# KiCad board ECB-4PIO.kicad_pcb (continued)
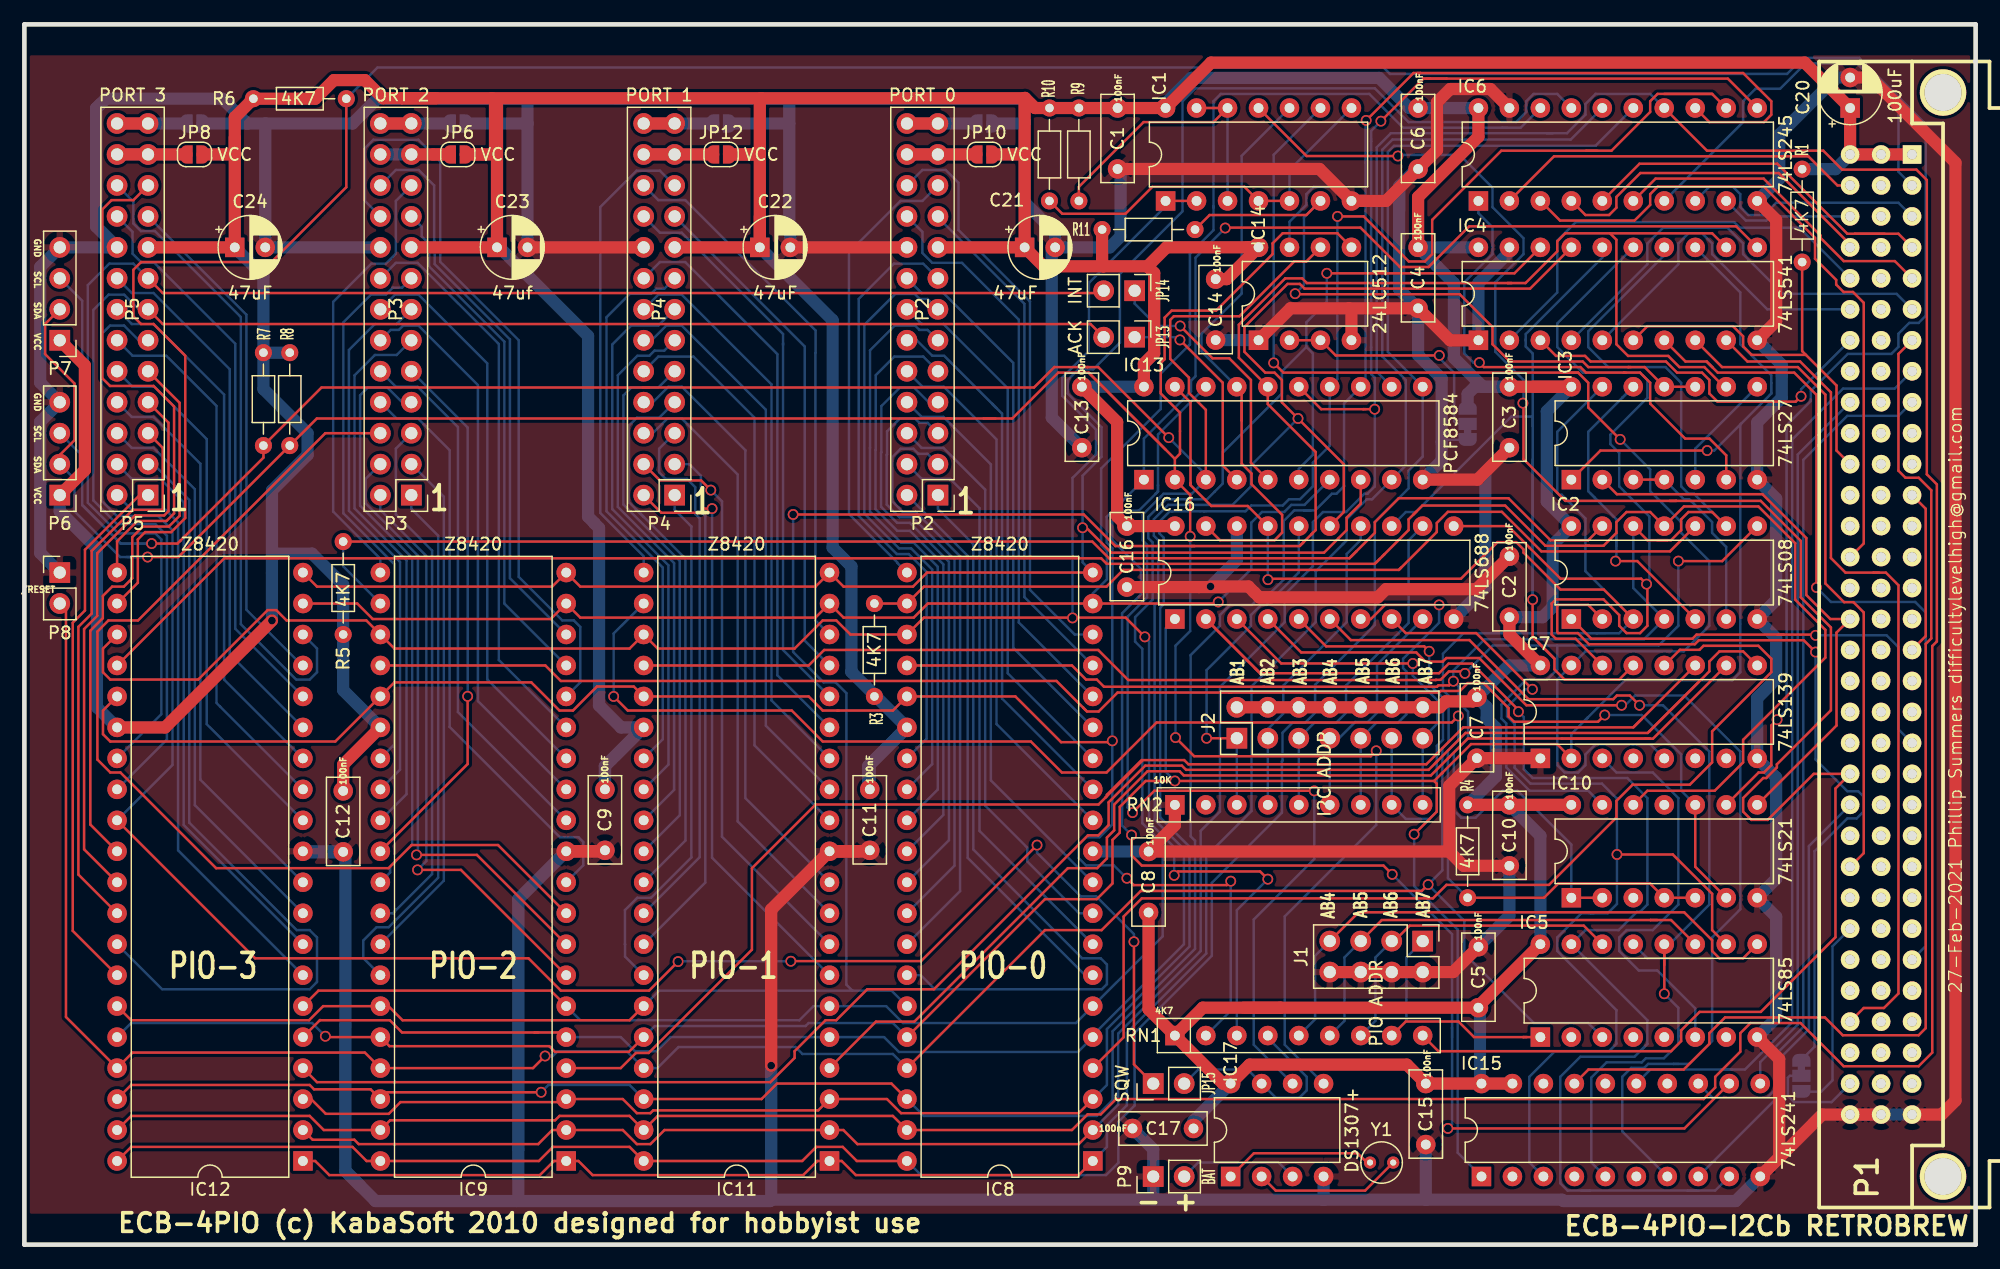
[diagram p0: board, top side]
## Routing (per net, layer and track width the routed paths; a pad name or vN(x,y) marks a point on that pad's centre or on a via; arc(x,y) is an arc through that point) (continued)
/DB4: length 301.7
  Vorderseite w0.203: IC12.39 8.76,10.55 23.39,10.55 24.55,9.4 IC9.39 29.99,10.2 43.52,10.2 43.88,10.55 49.62,10.55 IC11.39 51.94,10.55 71.21,10.55 IC8.39 85.9,9.4 87.18,10.68 88.26,10.68 89.52,11.94 137.7,11.94 138.64,12.88 138.64,13.76 140.71,15.82 140.71,17.34 141.54,18.17 145.64,18.17 149.18,14.63 155.33,14.63 156.44,15.75 156.44,49.09 156.82,49.47 156.82,62.35 156,63.18 156,87.31 155.15,88.17 149.06,88.17 147.51,89.71 137.97,89.71 IC6.14
  Rückseite w0.203: 124.86,91.15 126.49,91.15 128.01,92.66 128.01,93.54 128.84,94.37 133.31,94.37 IC6.14 ; 124.86,91.15 125.35,91.15 ; 124.86,91.15 112.05,91.15 110.89,89.99 110.89,71.59 IC13.12
/DB5: length 222.5
  Vorderseite w0.203: IC6.13 138.17,92.06 142.64,92.06 143.25,92.66 143.25,93.77 140.93,96.08 114.48,96.08 ; v1(110.03,92.2) 113.91,96.08 114.48,96.08 ; 114.48,96.08 114.2,96.08 ; IC11.38 60.45,11.94 61.72,13.21 71.1,13.21 IC8.38 ; IC12.38 8.76,13.09 23.39,13.09 23.75,12.74 28.39,12.74 IC9.38 29.75,12.49 v1(42.37,12.49)
  Rückseite w0.203: 109.97,88.7 109.97,70.75 IC13.13 108.21,68.99 108.21,62.2 107.59,61.58 107.21,61.58 105.84,60.21 104.93,60.21 ; 109.97,88.7 109.97,92.15 v1(110.03,92.2) ; 109.97,88.7 109.97,88.93 ; IC8.38 73.75,10.55 87.94,10.55 89.23,11.85 89.23,17.5 96,24.26 96,33.12 95.63,33.49 95.63,48.35 98.04,50.75 98.04,51.63 98.87,52.46 100.65,52.46 101.11,52.92 101.65,52.92 103.26,54.54 103.26,59.35 104.12,60.21 104.93,60.21 ; IC11.38 49.62,13.09 42.97,13.09 v1(42.37,12.49) ; 104.93,60.21 105.46,60.21
/DB6: length 203.3
  Vorderseite w0.203: 129,89.71 128.07,89.71 ; 128.07,89.71 121.11,89.71 115.44,84.05 115.44,81.24 114.84,80.64 113.52,80.64 109.82,84.33 v1(107.68,84.33) ; 128.07,89.71 130.14,89.71 133.31,92.89 133.31,93.77 133.92,94.37 138.39,94.37 ; 138.39,94.37 IC6.12 ; 138.39,94.37 134.46,94.37 ; IC12.3 23.5,11.94 24.71,10.73 29.88,10.73 30.84,11.69 44.18,11.69 IC9.3 49.07,11.94 50.23,10.78 51.33,10.78 51.56,11.01 65.09,11.01 IC11.3 70.73,11.94 71.89,10.78 86.45,10.78 IC8.3
  Rückseite w0.203: 94.16,60.14 94.03,60.14 ; 94.16,60.14 93.91,60.14 93.07,59.3 93.07,58.33 93.43,57.97 93.43,52.52 93.13,52.23 93.13,35.03 95.54,32.63 95.54,24.45 88.77,17.68 88.77,13.09 IC8.3 ; 94.16,60.14 96.7,60.14 ; 96.7,60.14 100.13,60.14 100.6,60.62 103.19,60.62 103.69,61.13 104.6,61.13 105.65,62.18 105.65,64.13 107.04,65.52 IC13.14 107.66,70.98 107.66,84.32 v1(107.68,84.33) ; 96.7,60.14 96.89,60.14
/DB7: length 205.1
  Vorderseite w0.203: 116.63,95.63 114.99,95.63 ; 116.63,95.63 139.68,95.63 IC6.11 ; 116.63,95.63 115.29,95.63 ; IC12.2 23.64,8.6 27.06,8.6 27.41,8.24 42.13,8.24 43.29,9.4 IC9.2 49.07,9.4 50.23,8.24 51.33,8.24 52.49,9.4 IC11.2 67.15,9.4 68.31,8.24 86.45,8.24 IC8.2 ; 114.71,95.63 115.29,95.63 ; 115.29,95.63 114.72,95.63 v1(111.23,92.14) ; 109.77,68.52 106.34,68.52 IC13.15 ; 109.77,68.52 v1(110.72,68.52) ; 109.77,68.52 109.96,68.52
  Rückseite w0.203: 110.43,90.46 110.43,91.34 v1(111.23,92.14) ; 110.43,90.46 110.43,90.72 ; 110.43,90.46 110.43,89.57 ; 110.43,73.36 110.43,73.62 ; 110.43,73.62 110.43,89.57 ; 110.43,73.62 110.43,71.4 110.73,71.1 110.73,62.18 110.13,61.58 109.88,61.58 108.38,60.08 106.49,60.08 105.66,59.25 105.66,55.64 103.35,53.33 103.35,51.05 98.04,45.74 98.04,35.51 96.45,33.93 96.45,24.07 89.69,17.31 89.69,11.48 IC8.2 ; 110.43,89.57 110.43,89.76
/IEI: length 149.6
  Vorderseite w0.203: IC2.12 133.09,57.77 134.71,57.77 ; IC10.1 IC10.2 ; 101.68,45.75 101.57,45.75 ; 101.68,45.75 115.83,45.75 115.95,45.86 116.83,45.86 v1(117.17,46.21) ; 101.68,45.75 88.53,45.75 87.94,46.34 87.06,46.34 85.9,47.5 IC8.24 ; 134.71,57.77 135.02,57.77 135.85,58.6 135.85,59.48 136.46,60.08 138.39,60.08 IC2.9 ; 134.71,57.77 133.86,57.77
  Rückseite w0.203: IC10.1 126.85,32.81 122.43,37.22 121.21,37.22 119,35.01 117.81,35.01 117.22,35.61 117.22,40.36 118.38,41.53 118.38,43.7 117.62,44.46 117.62,45.76 v1(117.17,46.21) 117.17,47.08 119.74,49.65 132.81,49.65 IC2.4 131.93,53.85 IC2.12 ; IC4.14 134.47,81.14 128.23,74.91 128.23,73.61 129.88,71.97 134.57,71.97 135.85,70.68 135.85,62.18 136.46,61.58 136.9,61.58 IC2.9
/IEO_0: length 124.6
  Vorderseite w0.203: IC11.24 64.31,47.5 65.58,48.77 88.05,48.77 90.51,46.31 115.74,46.31 115.76,46.32 116.12,46.32 116.81,47.01 117.96,47.01 v1(118.12,46.85) ; IC2.8 139.22,56.06 v1(135.63,56.06)
  Rückseite w0.203: IC10.13 128.23,37.22 123.43,37.22 121.52,39.14 121.52,42.74 121.12,43.14 121.12,44.3 123.16,46.35 123.48,46.35 ; 125.7,49.14 134.01,49.14 135.63,50.75 135.63,52.91 ; 125.7,49.14 125.69,49.13 125.69,47.17 124.86,46.34 123.76,46.34 123.75,46.35 123.48,46.35 ; 125.7,49.14 120.41,49.14 v1(118.12,46.85) ; 135.63,52.91 135.63,53.76 ; 135.63,52.91 135.63,56.05 v1(135.63,56.06) ; 123.48,46.35 123.75,46.35
/IEO_1: length 126.7
  Vorderseite w0.203: 87.06,43.8 86.82,44.04 ; 86.82,44.04 84.63,46.23 43.99,46.23 42.72,47.5 IC9.24 ; 86.82,44.04 87.14,43.72 88.08,43.72 89.64,45.27 98.79,45.27 ; IC10.10 137.01,30.99 IC10.6 ; 100.76,45.27 116,45.27 116.14,45.41 117.71,45.41 118.36,46.05 119.66,46.05 121.71,44 121.71,43.32 122.15,42.88 129.03,42.88 v1(129.59,43.43) ; 100.76,45.27 98.79,45.27 ; 100.76,45.27 100.55,45.27 ; 99.01,45.27 98.79,45.27 ; 108.88,45.27 109.01,45.27
  Rückseite w0.203: v1(129.59,43.43) 132.62,43.43 135.85,40.2 135.85,37.22 IC10.10
/IEO_2: length 182.9
  Vorderseite w0.203: 113.93,59.91 113.51,59.48 113.51,58.6 111.52,56.61 ; 113.93,59.91 114.16,60.13 ; 113.93,59.91 114.63,60.61 121.42,60.61 124.72,57.32 128.03,57.32 ; 111.13,56.23 110.85,55.94 ; 111.13,56.23 110.74,55.83 88.75,55.83 88.3,56.29 16.39,56.29 IC12.24 ; 111.13,56.23 111.52,56.61 ; 128.03,57.32 129.49,57.32 130.55,58.37 130.55,59.25 131.38,60.08 133.31,60.08 IC2.11 136.08,60.54 142.19,60.54 145.2,57.52 145.2,52.9 147.68,50.42 147.68,48.14 140.93,41.4 140.93,39.55 138.61,37.22 133.09,37.22 IC10.12 ; 128.03,57.32 128.33,57.32 ; 111.34,56.43 111.52,56.61
/PHI: length 225.7
  Vorderseite w0.203: 66.66,43.8 66.8,43.8 ; 66.66,43.8 65.47,43.8 64.31,44.96 IC11.25 49.97,45.77 46.95,45.77 44.98,43.8 43.88,43.8 41.56,46.11 30.35,46.11 IC9.25 25.49,41.26 7.05,41.26 6.44,41.86 6.44,43.8 IC12.25 ; 66.66,43.8 71.21,43.8 IC8.25 81.26,44.96 85.01,41.21 89.1,41.21 v1(89.21,41.32) 89.04,41.15 88.88,41.15 ; v1(98.47,83.38) 98.5,83.4 109.56,83.4 112.79,80.18 115.15,80.18 118.48,83.52 140.36,83.52 IC4.11 ; v1(90.4,30.05) 90.97,29.49 98.6,29.49 v1(98.92,29.81)
  Rückseite w0.203: v1(98.47,83.38) 96.03,80.94 96.03,71.22 95.66,70.85 95.66,69.97 91.8,66.11 IC13.1 88.75,59.69 88.75,57.58 89.22,57.11 89.22,54.37 89.21,54.36 89.21,47.64 ; v1(98.92,29.81) 98.92,19.18 RN1.2 ; 89.21,47.64 89.21,34.46 88.16,33.41 87.06,33.41 86.45,32.81 86.45,31.7 87.06,31.1 89.34,31.1 90.39,30.05 ; 89.21,47.64 89.21,47.77
/PU3: length 31.2
  Vorderseite w0.203: IC1.5 IC1.4 100.04,86.75 92.49,86.75 90.28,84.54 85.11,84.54 R10.2
  Rückseite w0.203: IC1.5 103.74,88.14 IC1.8
/SCL: length 239.2
  Vorderseite w0.203: v1(105.77,37.21) 105.76,37.22 94.35,37.22 ; v1(93.84,66.18) 88.05,71.97 87.14,71.97 ; 87.14,71.97 84.46,71.97 82.78,70.29 50.65,70.29 ; 87.14,71.97 87.22,71.97 ; 94.35,37.22 92.66,37.22 v1(90.87,35.43) ; 94.35,37.22 93.95,37.22 ; 12.79,57.73 12.72,57.66 ; 12.79,57.73 19.6,64.54 R7.2 24.36,70.29 51.23,70.29 ; 12.79,57.73 12.56,57.5 v1(10.43,57.5) ; 106.28,81.79 105.12,80.64 104.13,80.64 99.63,76.14 94.26,76.14 93.96,75.84 93.96,72.64 95.49,71.1 95.49,69.85 96.88,68.46 IC13.3
  Rückseite w0.203: P7.3 4.74,77.41 4.74,64.33 ; 102.98,28.83 103.23,29.08 ; 102.98,28.83 100.81,26.66 100.81,16.39 IC17.6 ; 102.98,28.83 105.77,31.62 v1(105.77,37.21) ; v1(93.84,66.18) 96.88,63.14 IC13.3 95.72,61.58 93.42,61.58 92.95,61.11 ; 7.9,57.5 4.74,60.65 ; 7.9,57.5 v1(10.43,57.5) 7.9,57.5 ; 7.9,57.5 4.74,60.65 ; 4.74,60.65 4.74,64.33 ; 93.19,61.35 91.7,59.87 91.7,57.76 92.06,57.4 92.06,53.09 90.47,51.5 90.47,35.84 v1(90.87,35.43) ; 4.74,64.33 4.74,64.71 P6.3
/SDA: length 236.6
  Vorderseite w0.203: 94.34,64.44 IC13.2 95.6,61.48 v1(95.6,58.09) ; 94.34,64.44 87.27,71.51 ; 94.34,64.44 94.76,64.86 94.76,68.23 93.18,69.8 93.18,72.3 93.5,72.61 93.5,76.03 94.07,76.6 97.72,76.6 102.35,81.24 102.35,82.12 103.18,82.95 107.66,82.95 IC14.5 ; 78.66,67.75 81.01,67.75 84.77,71.51 87.27,71.51 ; 78.66,67.75 75.67,67.75 ; 78.66,67.75 79.64,67.75 ; 75.99,67.75 23.98,67.75 R8.2 12.62,56.39 v1(10.1,56.39) ; v1(94.39,41.58) 95.92,40.06 110.41,40.06 v1(110.85,40.5) ; P6.2 2.9,64.76 4.11,65.97 4.11,70.62 1.7,73.03 1.7,75.5 P7.2 ; 87.27,71.51 93.58,65.2
  Rückseite w0.203: 8.36,56.39 v1(10.1,56.39) 7.86,56.39 4.11,60.14 4.11,62.8 P6.2 ; v1(94.39,41.58) 94.39,49.12 95.6,50.32 v1(95.6,58.09) ; v1(110.85,40.5) 110.85,34.42 103.35,26.91 103.35,16.39 IC17.5
/SMA1: length 19.9
  Vorderseite w0.203: v1(116.02,72.93) 107.53,72.93 106.28,74.17 IC14.2
  Rückseite w0.203: v1(116.02,72.93) 116.02,72.72 117.24,71.5 117.24,67.53 117.46,67.31 JP1.2
/SQW: length 17.5
  Rückseite w0.203: JP15.2 96.26,14.36 100.3,14.36 IC17.7 102.61,12.05 104.55,12.05 105.15,12.65 105.15,13.76 101.96,16.95 RN1.4
/~{CE-PIO3}: length 143
  Vorderseite w0.203: IC7.9 140.93,48.65 139,48.65 138.17,47.82 138.17,47.01 133.23,42.08 ; 133.23,42.08 137.27,46.12 ; 133.23,42.08 133.12,41.96 118.17,41.96 115.85,39.64 ; 115.85,39.64 115.15,38.94 95.26,38.94 94.91,39.28 91.91,39.28 88.91,36.28 88.91,34.4 88.07,33.57 87.21,33.57 74.58,20.94 69.11,20.94 66.57,18.4 65.69,18.4 63.16,15.86 63.16,15.31 61.17,13.32 24,13.32 IC12.4 ; 115.85,39.64 115.65,39.44
/~{INT}: length 181.5
  Vorderseite w0.203: v1(101.96,29.97) 101.33,30.61 94.6,30.61 v1(94.28,30.29) ; IC1.1 IC1.2 ; v1(91.88,49.84) 90.3,51.42 73.75,51.42 IC8.23 67.73,50.04 66.57,51.19 65.47,51.19 63.15,48.88 51.94,48.88 IC11.23 49.62,48.88 30.35,48.88 IC9.23 28.03,51.19 21.5,51.19 20.65,52.04 19.95,52.04 14.25,46.34 7.05,46.34 6.44,46.94 6.44,48.88 IC12.23
  Rückseite w0.203: RN1.3 99.42,27.43 v1(101.96,29.97) ; v1(85.95,51.4) 85.95,62.88 87.87,64.8 87.87,66.85 85.1,69.61 85.1,71.1 87.28,73.28 87.28,75.11 87.29,75.12 87.29,78.87 93.58,85.16 IC1.1 ; v1(94.28,30.29) 94.28,32.59 92.22,34.66 92.22,49.5 v1(91.88,49.84) 91.78,49.74 91.78,49.62
/~{WR}: length 115.5
  Vorderseite w0.203: v1(90.78,33.59) 90.78,31.93 91.63,31.09 111.44,31.09 v1(112.16,30.37) ; IC15.12 136.12,9.53 v1(116.73,9.53)
  Rückseite w0.203: IC13.18 92.95,66.43 92.95,62.28 ; 92.95,61.77 92.95,62.28 ; 92.95,61.77 92.77,61.58 92.77,61.58 ; 92.95,61.77 91.39,60.2 90.04,60.2 89.21,59.36 89.21,57.77 91.56,55.42 91.56,53.32 90.01,51.77 90.01,34.37 v1(90.78,33.59) ; 92.95,62.28 92.95,61.8 ; 117.07,17.78 117.07,9.87 v1(116.73,9.53) ; 117.07,17.78 117.07,16.99 ; 117.07,17.78 117.07,25.46 v1(112.16,30.37)
Net-(IC1-Pad6): length 56.7
  Vorderseite w0.203: IC1.6 105.12,84.44 97.19,84.44 R11.2 ; v1(104.2,77.99) 104.25,77.95 117.69,77.95 120.39,75.25 120.39,73.84 121.8,72.43 127.78,72.43 128.24,71.97 131.51,71.97 ; 131.7,71.97 131.51,71.97 ; 131.51,71.97 132.86,71.97 IC3.11 IC3.10
  Rückseite w0.203: v1(104.2,77.99) 104.92,78.71 104.92,84.24 IC1.6
Net-(IC1-Pad10): length 49.4
  Vorderseite w0.203: IC13.17 99.81,69.96 99.81,67.58 ; 99.81,67.58 99.81,69.2 ; 99.81,67.58 99.81,64.05 100.63,63.24 100.63,62.36 103.13,59.85 103.13,58.39 102.52,57.77 98.04,57.77 IC16.19 96.88,59.12
  Rückseite w0.203: IC1.10 99.81,89.29 99.81,77.99 96.53,74.7 96.53,73.25 IC13.17
Net-(IC1-Pad12): length 26.2
  Vorderseite w0.203: R9.2 86.47,86.75 91.78,92.06 97.5,92.06 98.66,93.22 IC1.13
  Rückseite w0.203: 98.66,85.6 98.66,93.22
Net-(IC2-Pad5): length 27.4
  Vorderseite w0.203: IC2.5 132.26,56.06 v1(130.47,56.06)
  Rückseite w0.203: v1(130.47,56.06) 130.55,56.13 130.55,58.43 ; IC3.12 131.04,69.47 131.04,69.47 ; 130.55,58.43 130.55,59.48 128.79,61.24 ; 130.55,58.43 130.55,57.27 ; 131.04,69.47 128.23,66.66 128.23,61.79 128.79,61.24 ; 131.04,69.47 131.36,69.79 ; 128.79,61.24 128.45,61.58
Net-(IC2-Pad6): length 18.1
  Vorderseite w0.203: IC3.3 IC3.4
  Rückseite w0.203: IC3.4 136.08,61.13 136.52,61.13 138.39,59.25 138.39,58.37 139.55,57.22 IC2.6 ; 132.15,62.45 132.15,63.02 132.15,62.18 132.15,62.45 ; 132.15,62.45 132.15,62.58
Net-(IC2-Pad10): length 73.2
  Vorderseite w0.203: 112.88,55.5 112.75,55.38 ; 112.88,55.5 112.71,55.34 90.1,55.34 88.73,53.96 73.75,53.96 IC8.22 R3.2 ; 112.88,55.5 115.82,58.44 115.82,59.18 116.73,60.1 121.15,60.1 124.39,56.86 134.94,56.86 136.96,58.88
Net-(IC2-Pad13): length 115.3
  Vorderseite w0.203: R5.2 87.57,57.66 88.94,56.29 108.65,56.29 109.23,56.87 ; IC2.13 128.23,57.77 125.14,57.77 121.69,61.21 112.7,61.21 110.74,59.25 110.74,58.37 109.23,56.87 ; 109.23,56.87 108.76,56.4
  Rückseite w0.203: IC9.22 26.14,55.63 R5.2
Net-(IC3-Pad5): length 9.7
  Rückseite w0.203: IC3.8 137.01,65.28 IC3.5
Net-(IC3-Pad6): length 42
  Vorderseite w0.203: 131.16,71.51 128.05,71.51 127.59,71.97 119.67,71.97 v1(119.31,72.34) ; 131.16,71.51 131.32,71.51 ; 131.16,71.51 132.48,71.51 133.31,70.68 133.31,68.97 136.18,66.1 138.18,66.1 139.55,64.73 IC3.6
  Rückseite w0.203: v1(119.31,72.34) 118.82,72.34 118.07,73.08 118.07,78.92 120.39,81.23 120.39,83.44 119.23,84.59 IC6.1
Net-(IC5-Pad1): length 22.5
  Vorderseite w0.203: 122.92,17.02 123.19,17.02 ; 122.92,17.02 IC5.1 ; 122.92,17.02 118.87,17.02 117.59,18.3 113.28,18.3 RN1.8
  Rückseite w0.203: J1.1 113.33,23.56 113.33,21.14 ; 113.33,20.89 113.33,21.14 ; 113.33,21.14 113.33,18.35 RN1.8
Net-(IC5-Pad6): length 33.9
  Rückseite w0.203: IC5.6 137.01,19.37 133.9,22.48 132.38,22.48 130.77,24.08 130.77,25.19 131.38,25.79 133.53,25.79 135.63,27.89 135.63,36.62 133.53,38.72 130.55,38.72 IC7.3
Net-(IC5-Pad9): length 47.4
  Vorderseite w0.203: J1.7 109.4,27.25 136.1,27.25 138.39,24.96 138.39,24.08 139,23.48 140.93,23.48 IC5.9
  Rückseite w0.203: J1.7 105.84,23.69 105.84,18.48 RN1.5
Net-(IC5-Pad11): length 38.3
  Vorderseite w0.203: IC5.11 135.03,26.62 133.34,26.62 ; 133.34,26.62 111.31,26.62 109.58,24.89 ; 133.34,26.62 133.91,26.62
  Rückseite w0.203: 109.58,24.89 108.25,23.56 108.25,18.35 RN1.6
Net-(IC5-Pad14): length 27.2
  Vorderseite w0.203: IC5.14 127.87,26.16 113.59,26.16 112.32,24.89 J1.3
  Rückseite w0.203: J1.3 110.79,23.56 110.79,18.35 RN1.7
Net-(IC10-Pad4): length 118
  Vorderseite w0.203: v1(117.58,43.35) 117.05,42.82 92.84,42.82 88.74,38.72 85.07,38.72 82.53,41.26 65.47,41.26 62.93,43.8 49.48,43.8 v1(48.32,44.96) ; IC10.5 IC10.4 133.31,29.6 125.77,29.6 124.61,28.45 R4.2
  Rückseite w0.203: IC11.22 48.32,50.12 v1(48.32,44.96) ; R4.2 116.73,30.06 116.73,40.52 117.58,41.37 v1(117.58,43.35)
Net-(IC10-Pad9): length 259.8
  Vorderseite w0.203: IC10.9 142.2,38.72 142.64,38.72 143.25,39.32 143.25,42.58 v1(143.72,43.05) ; IC12.22 9.3,54.28 9.3,57.84 9.9,58.43 12.03,58.43 13.19,59.59 13.19,72.9 10.59,75.5 9.56,75.5 8.93,76.13 8.93,79.95 9.57,80.58 20.26,80.58 26.4,86.72 R6.2
  Rückseite w0.203: v1(143.72,43.05) 144.5,43.83 144.5,67.2 146.49,69.19 146.49,70.02 149.52,73.05 153.09,73.05 153.67,73.63 153.67,74.7 154.56,75.59 155.33,75.59 155.91,76.17 155.91,91.88 150.46,97.33 145.85,97.33 144.54,96.01 111.98,96.01 111.45,96.54 28.96,96.54 R6.2
Net-(IC13-Pad4): length 17.2
  Vorderseite w0.203: v1(94.76,74.2) 98.26,70.69 98.26,63.89 IC13.4
  Rückseite w0.203: v1(94.76,74.2) 94.53,74.42 JP13.1
Net-(IC13-Pad5): length 21.9
  Vorderseite w0.203: v1(94.77,75.34) 97.42,72.69 98.8,72.69 100.57,70.91 100.57,64.12 IC13.5
  Rückseite w0.203: v1(94.77,75.34) 92.88,75.34 91.04,77.18 JP14.1
Net-(IC16-Pad3): length 28.9
  Vorderseite w0.203: v1(113.85,47.66) 103.07,47.66 IC16.3
  Rückseite w0.203: RN2.9 J2.13 115.87,42.73 115.87,44.65 113.85,46.66 v1(113.85,47.66)
Net-(IC16-Pad5): length 35.6
  Vorderseite w0.203: IC16.5 106.74,49.07 114.79,49.07 v1(115.19,48.66)
  Rückseite w0.203: 112.12,40.13 112.12,40.26 ; 112.12,40.13 112.12,41.53 ; 112.12,40.13 RN2.8 113.28,34.91 115.22,34.91 115.82,35.51 115.82,40.9 116.32,41.41 116.32,44.84 115.19,45.97 v1(115.19,48.66)
Net-(IC16-Pad7): length 28
  Vorderseite w0.203: v1(116.01,52.46) 111.57,52.46 110.41,51.31 IC16.7
  Rückseite w0.203: RN2.7 109.58,40.01 ; 109.58,40.01 109.58,40.77 ; 109.58,40.01 109.58,41.53 110.85,42.8 112.64,42.8 113.33,43.49 113.33,47 113.05,47.28 113.05,48.05 116.01,51 v1(116.01,52.46)
Net-(IC16-Pad9): length 19
  Rückseite w0.203: IC16.9 110.92,47.56 110.92,43.62 110.16,42.86 109.13,42.86 107.04,40.77 RN2.6
Net-(IC16-Pad12): length 27.4
  Rückseite w0.203: IC16.12 113.51,57.77 113.51,50.98 108.38,45.85 108.38,43.62 107.56,42.8 105.77,42.8 J2.5 ; RN2.5 104.5,40.77
Net-(IC16-Pad14): length 26
  Rückseite w0.203: RN2.4 101.96,42.28 103.23,43.55 103.23,45.85 108.43,51.05 108.43,56.64 109.58,57.8 IC16.14
Net-(IC16-Pad16): length 28.7
  Vorderseite w0.203: v1(96.94,41.53) J2.1
  Rückseite w0.203: IC16.16 104.5,55.13 101.84,52.46 101.41,52.46 100.58,51.63 100.58,50.75 96.94,47.12 v1(96.94,41.53) ; RN2.3 J2.1
Net-(IC17-Pad1): length 12.3
  Vorderseite w0.203: IC17.1 100.82,7.49 109.33,7.49 110.09,6.73
Net-(IC17-Pad2): length 12.2
  Vorderseite w0.203: IC17.2 102.61,4.43 109.94,4.43 112.24,6.73
Net-(IC17-Pad3): length 9.8
  Rückseite w0.203: P9.2 96.26,6.74 102.84,6.74 IC17.3
Net-(JP5-Pad2): length 8.2
  Vorderseite w1: P3.26 P3.25
  Rückseite w1: P3.26 JP5.2
Net-(JP6-Pad1): length 6.5
  Vorderseite w1: 33.51,89.41 34.27,89.41 ; 33.51,89.41 JP6.1 ; 33.51,89.41 P3.23
  Rückseite w1: P3.24 P3.23
Net-(JP7-Pad2): length 8.2
  Vorderseite w1: P5.26 P5.25
  Rückseite w1: P5.26 JP7.2
Net-(JP8-Pad1): length 8.2
  Vorderseite w1: P5.24 JP8.1
  Rückseite w1: P5.24 P5.23
Net-(JP9-Pad2): length 8.2
  Vorderseite w1: P2.26 P2.25
  Rückseite w1: P2.26 78.02,91.95
Net-(JP10-Pad1): length 8.2
  Vorderseite w1: P2.24 JP10.1
  Rückseite w1: P2.24 P2.23
Net-(JP11-Pad2): length 8.2
  Vorderseite w1: P4.26 P4.25
  Rückseite w1: P4.26 JP11.2
Net-(JP12-Pad1): length 8.2
  Vorderseite w1: P4.24 JP12.1
  Rückseite w1: P4.24 P4.23

## Copper pours and planes (outline as drawn; the poured copper is in the pictures)
GND on Vorderseite: 160,2.54 160,97.54 -0.78,97.54 -0.78,2.54
GND on Rückseite: 160,2.54 160,97.54 -0.78,97.54 -0.78,2.54

## Text on the board
F.SilkS: GND   SCL   SDA   VCC | AB1 | AB2 | AB3 | AB4 | AB5 | AB6 | AB7 | 27-Feb-2021 Phillip Summers difficultylevelhigh@gmail.com | ECB-4PIO (c) KabaSoft 2010 designed for hobbyist use | ECB-4PIO-I2Cb RETROBREW | + - | 1 | PIO-3 | PIO-2 | PIO-1 | PIO-0
